# Altium PCB RFFE_Controller.PcbDoc (part 2 of 2)
Units mm, origin at the board's own origin, x right, y up, seen from the top; angles counter-clockwise.
Board outline 87 x 105 mm, 4 copper layers (Top Layer, MidLayer1, MidLayer2, Bottom Layer), stack 1.642 mm thick; 103 components, 94 nets, 420 pads, 1683 vias.
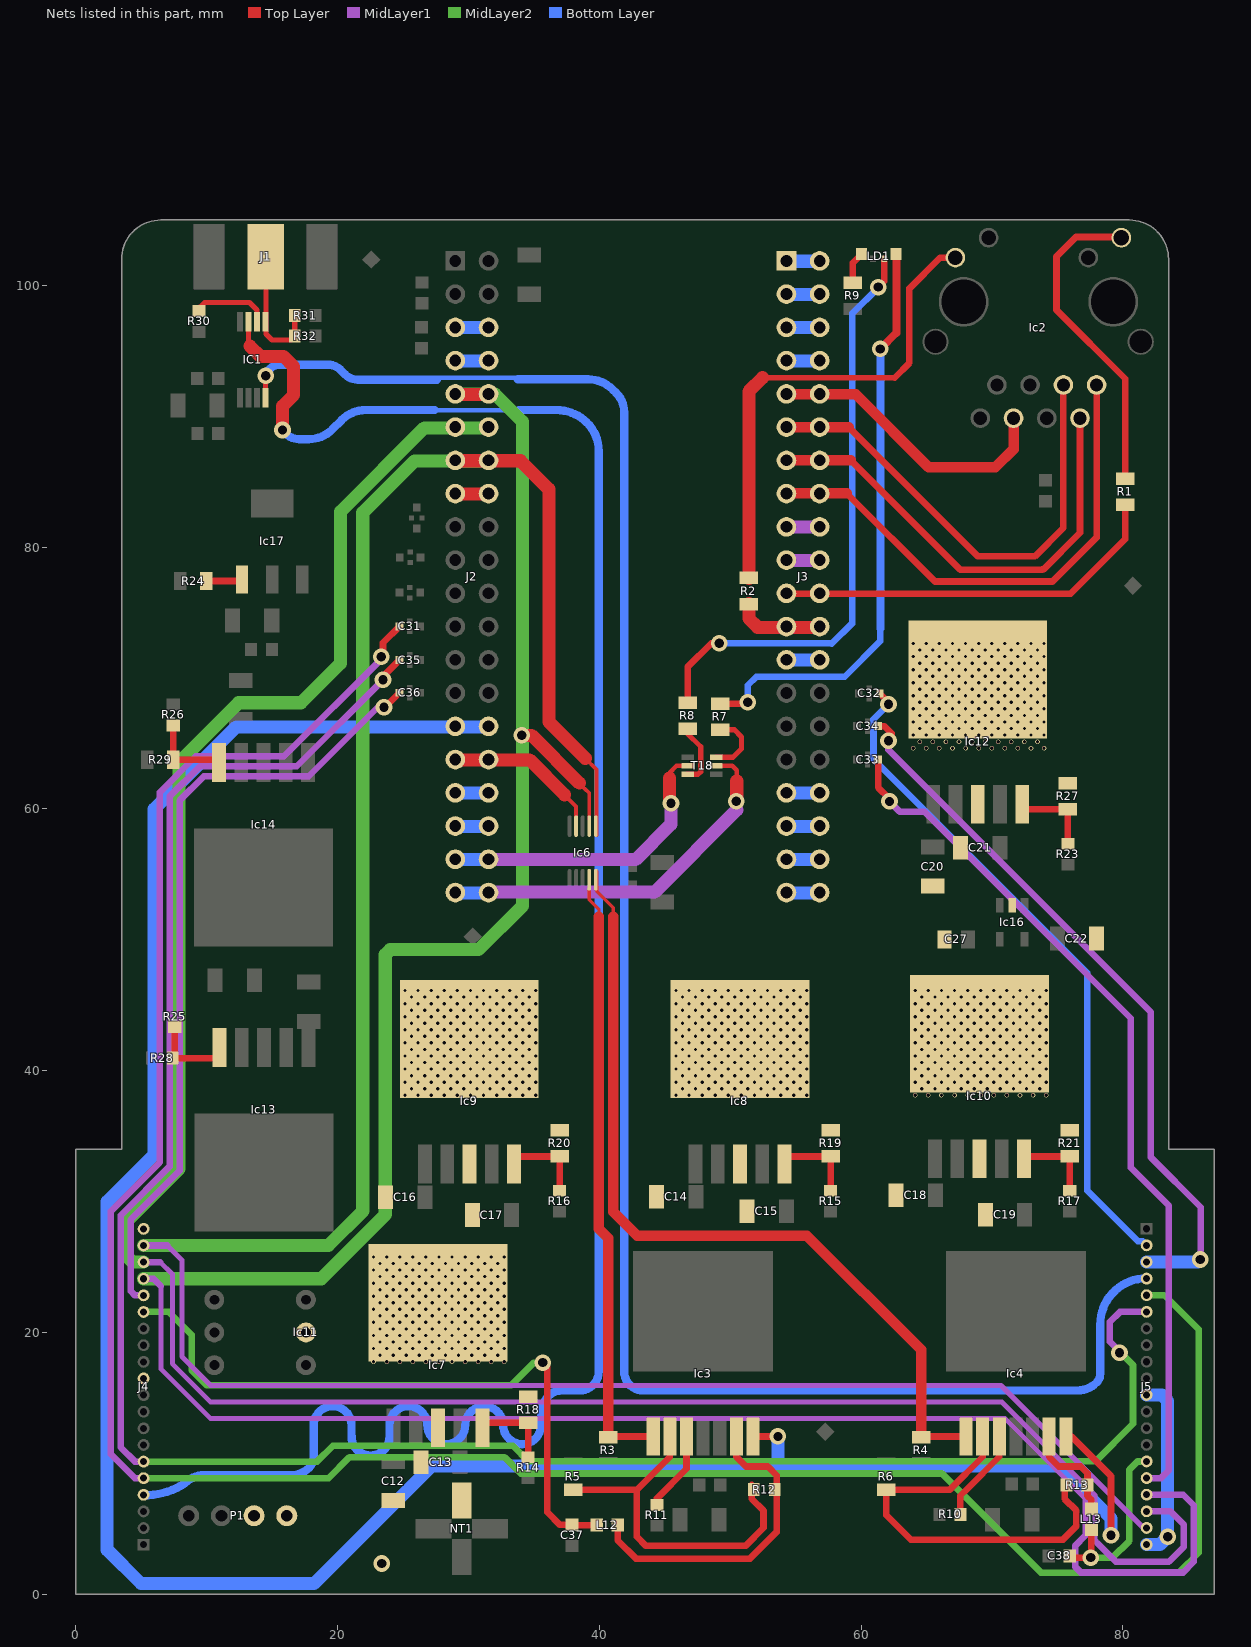
[diagram p4: the nets of this part, all layers, seen from the top]

## Via types
v1: diameter 0.35, hole 0.254, Top Layer to Bottom Layer, 1611 vias
v2: diameter 1.27, hole 0.711, Top Layer to Bottom Layer, 68 vias
v3: diameter 5, hole 2.2, Top Layer to Bottom Layer, 3 vias
v4: diameter 4, hole 2.2, Top Layer to Bottom Layer, 1 vias

## Nets (pads, with @x,y where several pads share a name; then routed paths per layer and width w, separated by ;. In a path a pad name is that pad's centre, name@x,y a point inside that pad or via, vN(x,y) a via of type N, cw(c..) or ccw(c..) an arc to the next point about the centre after c; other vN are vias at no path point) (continued)
NetC31_3: C31.3 J4.5 J5.5 | length 187.2
  Top Layer w0.508: v2(23.35,71.625) 23.475,71.75 23.475,72.7 C31.3@24.725,73.95
  MidLayer1 w0.508: J4.5@5.18,8.866 4.525,8.866 2.676,10.715 2.676,29.256 6.413,32.994 6.413,61.265 9.17,64.022 15.922,64.022 v2@23.437,71.537
  MidLayer2 w0.508: J4.5@5.18,8.866 19.313,8.866 20.922,10.475 32.75,10.475 34,9.225 66.175,9.225 73.75,1.65 84.275,1.65 85.8,3.175 85.8,20.225 83.179,22.846 J5.5@81.82,22.846
NetC32_3: C32.3 J5.2 | length 52.5
  Top Layer w0.504: C32.3@61.425,68.825 62.325,67.925 62.325,67.725 62.096,67.954 v2(62.096,67.993)
  Bottom Layer w0.504: v2(62.096,67.993) 60.955,66.852 60.955,63.795 77.287,47.463 77.287,30.838 81.158,26.967 81.509,26.967 J5.2@81.82,26.656
NetC33_3: C33.3 J5.16 | length 66.6
  Top Layer w0.504: C33.3@61.3,63.775 61.3,61.65 62.175,60.775 v2(62.175,60.575)
  MidLayer1 w0.5: 64.827,59.802 80.614,44.014 80.614,32.601 83.525,29.69 83.525,9.475 82.926,8.876 J5.16@81.82,8.876
  MidLayer1 w0.504: v2(62.175,60.575) 62.948,59.802 64.827,59.802
NetC34_3: C34.3 J5.3 | length 55.6
  Top Layer w0.508: C34.3@61.3,66.325 61.775,66.325 62.325,65.775 62.325,65.439 v2(62.096,65.21)
  MidLayer1 w0.5: 62.689,63.936 82.15,44.475 82.15,33.375 85.95,29.575 v2@85.95,25.55
  MidLayer1 w0.508: v2(62.096,65.21) 62.096,64.529 62.689,63.936
  Bottom Layer w0.381: v2@85.736,25.386 v2(85.925,25.575)
  Bottom Layer w1: J5.3@81.82,25.386 v2@85.736,25.386
NetC35_3: C35.3 J4.6 J5.6 | length 165.1
  Top Layer w0.508: v2(23.475,69.875) 23.475,70.125 C35.3@24.725,71.375
  MidLayer1 w0.508: J4.6@5.18,10.136 4.525,10.136 3.438,11.223 3.438,28.941 7.175,32.678 7.175,60.949 9.486,63.26 16.885,63.26 v2@23.487,69.862 ; v2(79.75,18.45) 79.75,18.55 79,19.3 79,20.8 79.776,21.576 J5.6@81.82,21.576
  MidLayer2 w0.508: J4.6@5.18,10.136 18.436,10.136 19.65,11.35 33.4,11.35 34.598,10.152 77.909,10.152 80.784,13.027 80.784,17.516 79.75,18.55 v2(79.75,18.45)
NetC36_3: C36.3 J4.16 | length 60.3
  Top Layer w0.508: v2(23.55,67.775) 23.625,67.775 C36.3@24.725,68.875
  MidLayer1 w0.508: J4.16@5.18,22.836 4.525,22.836 4.2,23.161 4.2,28.625 7.937,32.362 7.937,60.634 9.802,62.498 17.798,62.498 23.075,67.775 v2(23.55,67.775)
NetC37_2: C37.2 J4.15 L12.2 | length 50.8
  Top Layer w0.508: v2@35.7,17.675 36.025,17.35 36.025,6.275 37,5.3 C37.2@37.925,5.3 37.95,5.275 L12.2@39.8,5.275
  MidLayer2 w0.508: J4.15@5.18,21.566 5.189,21.575 7.1,21.575 8.85,19.825 8.85,17.125 10.013,15.962 33.262,15.962 35,17.7 v2(35.675,17.7)
NetC38_2: C38.2 J5.15 L13.2 | length 14.8
  Top Layer w0.508: C38.2@75.95,2.925 76.075,2.8 v2@77.275,2.8 ; v2@77.456,2.981 v2@77.275,2.8 ; L13.2@77.6,4.925 77.6,2.846 v2(77.554,2.8) v2@77.275,2.8
  MidLayer2 w0.508: v2@77.275,2.8 v2(77.554,2.8) 79.225,2.8 80.5,4.075 80.5,9.525 81.121,10.146 J5.15@81.82,10.146
NetIC1_1: IC1.1 J1.1 R31.2 R32.1 | length 10
  Top Layer w0.4: J1.1@14.5,102.175 14.529,102.146 14.529,96.296 15,95.825 16.425,95.825 R32.1@16.725,96.125 R31.2@16.725,97.7
NetIC1_2: IC1.2 R30.1 | length 5.7
  Top Layer w0.4: R30.1@9.475,98.325 9.85,98.7 13.266,98.7 13.85,98.116 IC1.2@13.85,97.225
NetIC1_3: IC1.3 J4.4 | length 160
  Top Layer w0.4: IC1.3@13.2,96.625 13.2,95.475 13.3,95.375
  Top Layer w1: 13.3,95.375 14.1,94.575 15.875,94.575 16.65,93.8 16.65,91.625 15.8,90.775 v2(15.8,88.95)
  Bottom Layer w0.35: 27.425,90.45 33.85,90.45
  Bottom Layer w0.635: J4.4@5.173,7.57 ccw(c5.3,13.1) 8.335,8.476 cw(c9.841,6.969) 9.841,9.1 16.462,9.1 ccw(c16.462,11.063) 17.85,9.675 ccw(c17.062,10.463) 18.176,10.463 18.176,12.917 cw(c19.624,12.917) 19.624,14.365 cw(c19.624,12.917) 21.072,12.917 21.072,12.048 ; v2@16.05,88.675 ccw(c17.076,89.701) 17.076,88.25 17.798,88.25 ccw(c17.798,90.79) 19.594,88.994 20.331,89.731 cw(c22.127,87.935) 22.127,90.475 27.425,90.475 ; 21.077,12.048 ccw(c22.525,12.048) 22.525,10.6 ccw(c22.525,12.048) 23.973,12.048 ; 23.968,12.048 23.968,12.917 cw(c25.415,12.917) 25.415,14.365 cw(c25.415,12.917) 26.863,12.917 ccw(c28.311,12.917) 28.311,11.47 ccw(c28.311,12.917) 29.759,12.917 cw(c31.207,12.917) 31.207,14.365 cw(c31.207,12.917) 32.654,12.917 ccw(c34.102,12.917) 34.102,11.47 ccw(c34.102,12.917) 35.55,12.917 35.55,13.745 cw(c37.555,13.745) 36.137,15.162 cw(c37.122,14.177) 37.122,15.57 38.507,15.57 ccw(c38.507,17.018) 39.955,17.018 39.955,87.358 ccw(c36.908,87.358) 39.063,89.512 ccw(c36.739,87.189) 36.739,90.475 33.85,90.475
NetIC1_8: IC1.8 J5.4 | length 152.2
  Top Layer w0.4: IC1.8@14.5,91.425 14.5,93.077 v2(14.517,93.095)
  Bottom Layer w0.35: 27.6,92.95 34.493,92.95
  Bottom Layer w0.635: v2(14.517,93.095) cw(c15.792,92.708) 14.85,93.65 cw(c15.574,92.926) 15.574,93.95 19.251,93.95 cw(c19.251,92.564) 20.231,93.544 20.575,93.2 ccw(c21.541,94.166) 21.541,92.8 26.115,92.8 ; 26.175,92.8 27.6,92.8 ; 33.775,92.825 39.15,92.825 cw(c39.15,90.17) 41.028,92.047 41.304,91.771 cw(c39.853,90.32) 41.905,90.32 41.905,17.018 ccw(c43.353,17.018) 43.353,15.57 76.54,15.57 ccw(c76.54,17.635) 78,16.175 ccw(c77.336,16.839) 78.275,16.839 78.275,20.615 cw(c81.798,20.615) J5.4@81.798,24.138
NetIc2_1: Ic2.1 J3.15 J3.16 | length 39.6
  Top Layer w0.508: 58.9,84.125 65.65,77.375 74.632,77.375 78,80.743 Ic2.1@78,92.395
  Top Layer w0.8: J3.15@54.27,84.125 58.9,84.125
NetIc2_2: Ic2.2 J3.13 J3.14 | length 35.8
  Top Layer w0.508: 59.225,86.625 67.567,78.283 73.838,78.283 73.863,78.308 73.939,78.308 76.73,81.099 Ic2.2@76.73,89.855
  Top Layer w0.8: J3.13@54.27,86.625 59.225,86.625
NetIc2_3: Ic2.3 J3.11 J3.12 | length 37.1
  Top Layer w0.508: 59.05,89.175 68.926,79.299 73.279,79.299 75.46,81.48 Ic2.3@75.46,92.395
  Top Layer w0.8: J3.11@54.27,89.175 59.05,89.175
NetIc2_6: Ic2.6 J3.9 J3.10 | length 22.6
  Top Layer w0.8: J3.9@54.27,91.69 59.585,91.69 65.155,86.12 70.27,86.12 71.65,87.5 Ic2.6@71.65,89.855
NetIc2_9: Ic2.9 R1.1 | length 24.8
  Top Layer w0.508: Ic2.9@79.884,103.7 76.425,103.7 74.93,102.205 74.93,98.12 80.183,92.867 R1.1@80.183,85.191
NetIc2_12: Ic2.12 R2.1 | length 37.7
  Top Layer w0.4: 52.469,92.944 62.569,92.944
  Top Layer w0.5: 62.569,92.944 63.7,94.075 63.7,99.775 66.051,102.126 Ic2.12@67.205,102.126
  Top Layer w1: R2.1@51.425,77.6 51.425,91.9 52.469,92.944
NetIc3_1: Ic3.1 Ic6.4 R3.2 | length 45.9
  Top Layer w0.254: Ic6.4@39.232,53.925 39.232,53.068 39.975,52.325 39.975,51.775
  Top Layer w0.508: R3.2@40.698,12.057 Ic3.1@44.122,12.057
  Top Layer w0.8: 39.975,51.775 39.975,27.925 40.698,27.202 R3.2@40.698,12.057
NetIc3_2: Ic3.2 R5.1 R12.1 | length 27.7
  Top Layer w0.508: R5.1@38.018,7.977 39.952,7.977 42.86,7.977 ; Ic3.2@45.392,12.057 45.392,10.509 42.86,7.977 ; R12.1@51.653,8.342 51.653,7.286 52.552,6.387 52.552,5.077 51.169,3.694 43.575,3.694 42.86,4.409 42.86,7.977
NetIc3_3: Ic3.3 R11.2 | length 6.2
  Top Layer w0.508: R11.2@44.4,6.825 44.4,7.325 46.662,9.587 Ic3.3@46.662,12.057
NetIc3_6: Ic3.6 L12.1 R12.2 | length 24.3
  Top Layer w0.508: L12.1@41.4,5.275 41.4,4.125 42.8,2.725 51.525,2.725 53.553,4.753 53.553,9.094 52.883,9.765 51.206,9.765 50.472,10.499 Ic3.6@50.472,12.057
NetIc3_7: Ic3.7 Ic4.7 J2.29 J2.30 | length 184
  Top Layer w0.508: Ic3.7@51.742,12.057 v2(53.648,12.057) ; Ic4.7@75.645,12.057 76.068,12.057 79.1,9.025 v2(79.1,4.5)
  Bottom Layer w1: J2.30@31.52,66.275 12.275,66.275 6,60 6,33.6 2.4,30 2.4,3.4 4.982,0.818 18.217,0.818 27.2,9.8 75.1,9.8 79.1,5.8 v2(79.1,4.5) ; 53.648,9.848 v2(53.648,12.057)
NetIc4_1: Ic4.1 Ic6.5 R4.2 | length 64.5
  Top Layer w0.254: Ic6.5@39.8,55.263 39.8,53.725 41.075,52.45 41.075,51.75
  Top Layer w0.508: R4.2@64.588,12.057 Ic4.1@68.025,12.057
  Top Layer w0.8: 41.075,51.75 41.075,29.232 42.901,27.407 55.855,27.407 64.588,18.673 R4.2@64.588,12.057
NetIc4_2: Ic4.2 R6.1 R13.1 | length 31.1
  Top Layer w0.508: Ic4.2@69.295,12.057 69.295,10.509 66.763,7.977 R6.1@61.921,7.977 61.921,6.056 63.802,4.175 75.428,4.175 76.455,5.202 76.455,6.387 75.556,7.286 R13.1@75.556,8.342
NetIc4_3: Ic4.3 R10.2 | length 7.2
  Top Layer w0.508: R10.2@67.575,6.075 67.575,7.52 68.083,8.027 70.565,10.509 Ic4.3@70.565,12.057
NetIc4_6: Ic4.6 L13.1 R13.2 | length 7.9
  Top Layer w0.508: Ic4.6@74.375,12.057 74.375,10.499 75.109,9.765 76.785,9.765 77.306,9.244 R13.2@77.306,8.342 77.306,7.519 77.6,7.225 L13.1@77.6,6.525
NetIc6_6: Ic6.6 J2.13 J2.14 J4.19 J5.19 | length 208.3
  Top Layer w0.3: 38.925,63.875 39.8,63 Ic6.6@39.8,58.013
  Top Layer w1: J2.13@28.98,86.606 33.969,86.606 36.15,84.425 36.15,66.65 38.925,63.875
  MidLayer1 w0.381: 6.994,26.646 8.1,25.54 8.1,18.164 10.312,15.951 70.699,15.951 J5.19@81.584,5.066
  MidLayer1 w0.5: J4.19@5.18,26.646 6.994,26.646 ; J5.19@81.584,5.066 J5.19@81.82,5.066
  MidLayer2 w1: J4.19@5.18,26.646 19.296,26.646 21.925,29.275 21.925,82.639 25.886,86.6 J2.14@31.52,86.6
NetIc6_7: Ic6.7 J2.9 J2.10 J4.17 J5.17 | length 213
  Top Layer w0.3: 38.45,61.95 39.232,61.218 Ic6.7@39.232,59.225
  Top Layer w1: J2.9@28.98,91.675 J2.10@31.52,91.675 ; v2(34.075,65.625) 34.825,65.625 38.475,61.975
  MidLayer1 w0.381: 6.502,23.546 6.502,17.221 10.312,13.411 71.014,13.411 77.175,7.25
  MidLayer1 w0.5: J4.17@5.18,24.106 5.942,24.106 6.502,23.546 ; 77.175,7.25 77.175,4.517 76.35,3.692 76.35,2.114 76.803,1.661 84.611,1.661 85.425,2.475 85.425,6.8 84.619,7.606 J5.17@81.82,7.606
  MidLayer2 w0.381: 34.1,52.575 34.125,52.575
  MidLayer2 w1: J4.17@5.18,24.106 18.756,24.106 23.65,29 23.65,48.875 24.025,49.25 30.775,49.25 34.1,52.575 ; J2.9@28.98,91.69 32.035,91.69 34.125,89.6 34.125,52.575
NetIc6_9: Ic6.9 J2.31 J2.32 | length 12.2
  Top Layer w0.3: 37.343,61.082 38.232,60.193 Ic6.9@38.232,58.688
  Top Layer w1: J2.31@28.98,63.75 34.675,63.75 37.343,61.082
NetIc7_5: Ic7.5 R14.1 R18.2 | length 6
  Top Layer w0.508: Ic7.5@31.07,13.096 R18.2@34.569,13.096 R14.1@34.569,10.617
NetIc8_5: Ic8.5 R15.1 R19.2 | length 6
  Top Layer w0.508: Ic8.5@54.176,33.451 R19.2@57.675,33.451 R15.1@57.675,30.972
NetIc9_5: Ic9.5 R16.1 R20.2 | length 6
  Top Layer w0.508: Ic9.5@33.475,33.451 R20.2@36.974,33.451 R16.1@36.974,30.972
NetIc10_5: Ic10.5 R17.1 R21.2 | length 6.1
  Top Layer w0.508: Ic10.5@72.464,33.451 R21.2@75.947,33.451 75.947,31.21 R17.1@75.709,30.972
NetIc12_5: Ic12.5 R23.1 R27.2 | length 6
  Top Layer w0.508: Ic12.5@72.305,59.97 R27.2@75.804,59.97 R23.1@75.804,57.491
NetIc13_5: Ic13.5 R25.1 R28.1 | length 5.6
  Top Layer w0.508: R25.1@7.566,43.182 7.566,40.957 Ic13.5@10.988,40.957
NetIc14_5: Ic14.5 R26.1 R29.2 | length 6
  Top Layer w0.508: R26.1@7.452,66.236 R29.2@7.452,63.757 Ic14.5@10.951,63.757
NetIc17_1: Ic17.1 R24.2 | length 2.8
  Top Layer w0.508: R24.2@9.92,77.413 Ic17.1@12.7,77.413
NetJ2_5: J2.5 J2.6 | length 2.5
  Bottom Layer w1: J2.5@28.98,96.77 J2.6@31.52,96.77
NetJ2_7: J2.7 J2.8 | length 2.5
  Bottom Layer w1: J2.7@28.98,94.23 J2.8@31.52,94.23
NetJ2_11: J2.11 J2.12 J4.18 J5.18 | length 182.3
  MidLayer1 w0.381: 6.468,25.376 7.375,24.469 7.375,17.619 10.312,14.681 70.769,14.681 77.875,7.575 77.875,4.075
  MidLayer1 w0.5: J4.18@5.18,25.376 6.468,25.376 ; 77.875,4.075 78.011,3.939 78.026,3.939 78.693,3.272 78.693,3.257 79.475,2.475 83.525,2.475 84.671,3.621 84.671,5.304 83.639,6.336 J5.18@81.82,6.336
  MidLayer2 w1: J4.18@5.18,25.376 4.358,25.376 3.9,25.834 3.9,28.5 7.894,32.494 7.894,63.565 12.441,68.112 17.212,68.112 20.225,71.125 20.225,82.713 26.632,89.12 J2.12@31.52,89.12
NetJ2_15: J2.15 J2.16 | length 2.5
  Top Layer w1: J2.15@28.98,84.07 J2.16@31.52,84.07
NetJ2_33: J2.33 J2.34 | length 2.5
  Bottom Layer w1: J2.33@28.98,61.21 J2.34@31.52,61.21
NetJ2_35: J2.35 J2.36 | length 2.5
  Bottom Layer w1: J2.35@28.98,58.67 J2.36@31.52,58.67
NetJ2_37: J2.37 J2.38 T18.2 | length 23.3
  Top Layer w0.35: 45.375,62.35 45.375,62.775 45.9,63.3 T18.2@46.75,63.3
  Top Layer w1: 45.375,62.35 45.375,60.525 v2(45.475,60.425)
  MidLayer1 w1: J2.38@31.52,56.13 42.78,56.13 45.475,58.825 v2(45.475,60.425)
  Bottom Layer w0.3: J2.38@31.52,56.13 J2.38@31.565,56.175
  Bottom Layer w1: J2.37@28.98,56.13 J2.38@31.52,56.13
NetJ2_39: J2.39 J2.40 T18.5 | length 28.2
  Top Layer w0.35: T18.5@48.95,63.3 50.15,63.3 50.5,62.95 50.5,62.15
  Top Layer w1: v2(50.475,60.6) 50.5,60.625 50.5,62.15
  MidLayer1 w1: J2.40@31.52,53.65 44.225,53.65 50.5,59.925
  Bottom Layer w1: J2.39@28.98,53.59 J2.40@31.52,53.59
NetJ3_1: J3.1 J3.2 | length 2.5
  Bottom Layer w1: J3.1@54.27,101.85 J3.2@56.81,101.85
NetJ3_3: J3.3 J3.4 | length 2.5
  Bottom Layer w1: J3.3@54.27,99.31 J3.4@56.81,99.31
NetJ3_5: J3.5 J3.6 | length 2.5
  Bottom Layer w1: J3.5@54.27,96.77 J3.6@56.81,96.77
NetJ3_7: J3.7 J3.8 | length 2.5
  Bottom Layer w1: J3.7@54.27,94.23 J3.8@56.81,94.23
NetJ3_17: J3.17 J3.18 | length 2.5
  MidLayer1 w1: J3.17@54.27,81.53 J3.18@56.81,81.53
NetJ3_19: J3.19 J3.20 | length 2.5
  MidLayer1 w1: J3.19@54.27,78.99 J3.20@56.81,78.99
NetJ3_21: J3.21 J3.22 R1.2 | length 30.3
  Top Layer w0.508: J3.21@54.27,76.45 76.018,76.45 80.183,80.614 R1.2@80.183,83.291
NetJ3_23: J3.23 J3.24 R2.2 | length 6.8
  Top Layer w1: R2.2@51.425,75.7 51.425,74.55 52.1,73.875 J3.24@56.81,73.875
NetJ3_25: J3.25 J3.26 | length 2.5
  Bottom Layer w1: J3.25@54.27,71.37 J3.26@56.81,71.37
NetJ3_33: J3.33 J3.34 | length 2.5
  Bottom Layer w1: J3.33@54.27,61.21 J3.34@56.81,61.21
NetJ3_35: J3.35 J3.36 | length 2.5
  Bottom Layer w1: J3.35@54.27,58.67 J3.36@56.81,58.67
NetJ3_37: J3.37 J3.38 | length 2.5
  Bottom Layer w1: J3.37@54.27,56.13 J3.38@56.81,56.13
NetJ3_39: J3.39 J3.40 | length 2.5
  Bottom Layer w1: J3.39@54.27,53.59 J3.40@56.81,53.59
NetLD1_1: LD1.1 R9.2 | length 2.5
  Top Layer w0.5: R9.2@59.375,100.15 59.375,101.725 LD1.1@60.05,102.4
NetLD1_3: LD1.3 R8.2 | length 45.5
  Top Layer w0.5: R8.2@46.75,68.125 46.75,70.85 48.55,72.65 v2(49.175,72.65)
  Top Layer w0.508: v2(61.325,99.875) 61.767,100.317 LD1.3@61.767,102.05
  Bottom Layer w0.508: v2@49.175,72.653 57.753,72.653 ; 57.753,72.628 59.3,74.175 ; 59.325,74.175 59.325,97.85 61.325,99.85 v2(61.325,99.875)
NetLD1_4: LD1.4 R7.2 | length 45
  Top Layer w0.5: R7.2@49.25,68.05 51.25,68.05 v2(51.35,68.15)
  Top Layer w0.6: v2(61.475,95.15) 62.7,96.375 LD1.4@62.7,102.4
  Bottom Layer w0.5: v2(51.35,68.15) 51.35,69.45 52.009,70.109 58.75,70.109 61.475,72.834 61.475,73.8
  Bottom Layer w0.6: 61.475,73.8 v2(61.475,95.15)
NetR7_1: R7.1 T18.6 | length 4.9
  Top Layer w0.4: T18.6@48.95,63.95 50.225,63.95 50.875,64.6 50.875,65.5 50.325,66.05 R7.1@49.25,66.05
NetR8_1: R8.1 T18.3 | length 4.8
  Top Layer w0.4: T18.3@46.75,62.65 47.55,62.65 47.75,62.85 47.75,64.75 46.75,65.75 R8.1@46.75,66.125
RFGND: C12.1 C13.1 C14.1 C15.1 C16.1 C17.1 C18.1 C19.1 C20.1 C21.1 C22.1 C27.1 Ic7.3 Ic7.6 Ic8.3 Ic8.6 Ic9.3 Ic9.6 Ic10.3 Ic10.6 Ic11.2 Ic12.3 Ic12.6 Ic16.2 J4.11 J4.20 J5.11 J5.20 NT1.4 P1.1 P1.2 R18.1 R19.1 R20.1 R21.1 R27.1 | length 14
  Bottom Layer w1: J5.20@81.82,3.796 82.821,3.796 v2(83.425,4.4) 83.425,14.775 82.974,15.226 J5.11@81.82,15.226
  other v1: 22.75,17.771 23.75,17.771 24.75,17.771 25.75,17.771 26.75,17.771 27.75,17.771 28.75,17.771 29.75,17.771 30.75,17.771 31.75,17.771 32.75,17.771 23.25,18.271 24.25,18.271 25.25,18.271 26.25,18.271 27.25,18.271 28.25,18.271 29.25,18.271 30.25,18.271 31.25,18.271 32.25,18.271 22.75,18.771 23.75,18.771 24.75,18.771 25.75,18.771 26.75,18.771 27.75,18.771 28.75,18.771 29.75,18.771 30.75,18.771 31.75,18.771 32.75,18.771 23.25,19.271 24.25,19.271 25.25,19.271 26.25,19.271 27.25,19.271 28.25,19.271 29.25,19.271 30.25,19.271 31.25,19.271 32.25,19.271 22.75,19.771 23.75,19.771 24.75,19.771 25.75,19.771 26.75,19.771 27.75,19.771 28.75,19.771 29.75,19.771 30.75,19.771 31.75,19.771 32.75,19.771 23.25,20.271 24.25,20.271 25.25,20.271 26.25,20.271 27.25,20.271 28.25,20.271 29.25,20.271 30.25,20.271 31.25,20.271 32.25,20.271 22.75,20.771 23.75,20.771 24.75,20.771 25.75,20.771 26.75,20.771 27.75,20.771 28.75,20.771 29.75,20.771 30.75,20.771 31.75,20.771 32.75,20.771 23.25,21.271 24.25,21.271 25.25,21.271 26.25,21.271 27.25,21.271 28.25,21.271 29.25,21.271 30.25,21.271 31.25,21.271 32.25,21.271 22.75,21.771 23.75,21.771 24.75,21.771 25.75,21.771 26.75,21.771 27.75,21.771 28.75,21.771 29.75,21.771 30.75,21.771 31.75,21.771 32.75,21.771 23.25,22.271 24.25,22.271 25.25,22.271 26.25,22.271 27.25,22.271 28.25,22.271 29.25,22.271 30.25,22.271 31.25,22.271 32.25,22.271 22.75,22.771 23.75,22.771 24.75,22.771 25.75,22.771 26.75,22.771 27.75,22.771 28.75,22.771 29.75,22.771 30.75,22.771 31.75,22.771 32.75,22.771 23.25,23.271 24.25,23.271 25.25,23.271 26.25,23.271 27.25,23.271 28.25,23.271 29.25,23.271 30.25,23.271 31.25,23.271 32.25,23.271 22.75,23.771 23.75,23.771 24.75,23.771 25.75,23.771 26.75,23.771 27.75,23.771 28.75,23.771 29.75,23.771 30.75,23.771 31.75,23.771 32.75,23.771 23.25,24.271 24.25,24.271 25.25,24.271 26.25,24.271 27.25,24.271 28.25,24.271 29.25,24.271 30.25,24.271 31.25,24.271 32.25,24.271 22.75,24.771 23.75,24.771 24.75,24.771 25.75,24.771 26.75,24.771 27.75,24.771 28.75,24.771 29.75,24.771 30.75,24.771 31.75,24.771 32.75,24.771 23.25,25.271 24.25,25.271 25.25,25.271 26.25,25.271 27.25,25.271 28.25,25.271 29.25,25.271 30.25,25.271 31.25,25.271 32.25,25.271 22.75,25.771 23.75,25.771 24.75,25.771 25.75,25.771 26.75,25.771 27.75,25.771 28.75,25.771 29.75,25.771 30.75,25.771 31.75,25.771 32.75,25.771 25.155,38.126 26.155,38.126 27.155,38.126 28.155,38.126 29.155,38.126 30.155,38.126 31.155,38.126 32.155,38.126 33.155,38.126 34.155,38.126 35.155,38.126 45.856,38.126 46.856,38.126 47.856,38.126 48.856,38.126 49.856,38.126 50.856,38.126 51.856,38.126 52.856,38.126 53.856,38.126 54.856,38.126 55.856,38.126 64.144,38.126 65.144,38.126 66.144,38.126 67.144,38.126 68.144,38.126 69.144,38.126 70.144,38.126 71.144,38.126 72.144,38.126 73.144,38.126 74.144,38.126 25.655,38.626 26.655,38.626 27.655,38.626 28.655,38.626 29.655,38.626 30.655,38.626 31.655,38.626 32.655,38.626 33.655,38.626 34.655,38.626 46.356,38.626 47.356,38.626 48.356,38.626 49.356,38.626 50.356,38.626 51.356,38.626 52.356,38.626 53.356,38.626 54.356,38.626 55.356,38.626 64.644,38.626 65.644,38.626 66.644,38.626 67.644,38.626 68.644,38.626 69.644,38.626 70.644,38.626 71.644,38.626 72.644,38.626 73.644,38.626 25.155,39.126 26.155,39.126 27.155,39.126 28.155,39.126 29.155,39.126 30.155,39.126 31.155,39.126 32.155,39.126 33.155,39.126 34.155,39.126 35.155,39.126 45.856,39.126 46.856,39.126 47.856,39.126 48.856,39.126 49.856,39.126 50.856,39.126 51.856,39.126 52.856,39.126 53.856,39.126 54.856,39.126 55.856,39.126 64.144,39.126 65.144,39.126 66.144,39.126 67.144,39.126 68.144,39.126 69.144,39.126 70.144,39.126 71.144,39.126 72.144,39.126 73.144,39.126 74.144,39.126 25.655,39.626 26.655,39.626 27.655,39.626 28.655,39.626 29.655,39.626 30.655,39.626 31.655,39.626 32.655,39.626 33.655,39.626 34.655,39.626 46.356,39.626 47.356,39.626 48.356,39.626 49.356,39.626 50.356,39.626 51.356,39.626 52.356,39.626 53.356,39.626 54.356,39.626 55.356,39.626 64.644,39.626 65.644,39.626 66.644,39.626 67.644,39.626 68.644,39.626 69.644,39.626 70.644,39.626 71.644,39.626 72.644,39.626 73.644,39.626 25.155,40.126 26.155,40.126 27.155,40.126 28.155,40.126 29.155,40.126 30.155,40.126 31.155,40.126 32.155,40.126 33.155,40.126 34.155,40.126 35.155,40.126 45.856,40.126 46.856,40.126 47.856,40.126 48.856,40.126 49.856,40.126 50.856,40.126 51.856,40.126 52.856,40.126 53.856,40.126 54.856,40.126 55.856,40.126 64.144,40.126 65.144,40.126 66.144,40.126 67.144,40.126 68.144,40.126 69.144,40.126 70.144,40.126 71.144,40.126 72.144,40.126 73.144,40.126 74.144,40.126 25.655,40.626 26.655,40.626 27.655,40.626 28.655,40.626 29.655,40.626 30.655,40.626 31.655,40.626 32.655,40.626 33.655,40.626 34.655,40.626 46.356,40.626 47.356,40.626 48.356,40.626 49.356,40.626 50.356,40.626 51.356,40.626 52.356,40.626 53.356,40.626 54.356,40.626 55.356,40.626 64.644,40.626 65.644,40.626 66.644,40.626 67.644,40.626 68.644,40.626 69.644,40.626 70.644,40.626 71.644,40.626 72.644,40.626 73.644,40.626 25.155,41.126 26.155,41.126 27.155,41.126 28.155,41.126 29.155,41.126 30.155,41.126 31.155,41.126 32.155,41.126 33.155,41.126 34.155,41.126 35.155,41.126 45.856,41.126 46.856,41.126 47.856,41.126 48.856,41.126 49.856,41.126 50.856,41.126 51.856,41.126 52.856,41.126 53.856,41.126 54.856,41.126 55.856,41.126 64.144,41.126 65.144,41.126 66.144,41.126 67.144,41.126 68.144,41.126 69.144,41.126 70.144,41.126 71.144,41.126 72.144,41.126 73.144,41.126 74.144,41.126 25.655,41.626 26.655,41.626 27.655,41.626 28.655,41.626 29.655,41.626 30.655,41.626 31.655,41.626 32.655,41.626 33.655,41.626 34.655,41.626 46.356,41.626 47.356,41.626 48.356,41.626 49.356,41.626 50.356,41.626 51.356,41.626 52.356,41.626 53.356,41.626 54.356,41.626 55.356,41.626 64.644,41.626 65.644,41.626 66.644,41.626 67.644,41.626 68.644,41.626 69.644,41.626 70.644,41.626 71.644,41.626 72.644,41.626 73.644,41.626 25.155,42.126 26.155,42.126 27.155,42.126 28.155,42.126 29.155,42.126 30.155,42.126 31.155,42.126 32.155,42.126 33.155,42.126 34.155,42.126 35.155,42.126 45.856,42.126 46.856,42.126 47.856,42.126 48.856,42.126 49.856,42.126 50.856,42.126 51.856,42.126 52.856,42.126 53.856,42.126 54.856,42.126 55.856,42.126 64.144,42.126 65.144,42.126 66.144,42.126 67.144,42.126 68.144,42.126 69.144,42.126 70.144,42.126 71.144,42.126 72.144,42.126 73.144,42.126 74.144,42.126 25.655,42.626 26.655,42.626 27.655,42.626 28.655,42.626 29.655,42.626 30.655,42.626 31.655,42.626 32.655,42.626 33.655,42.626 34.655,42.626 46.356,42.626 47.356,42.626 48.356,42.626 49.356,42.626 50.356,42.626 51.356,42.626 52.356,42.626 53.356,42.626 54.356,42.626 55.356,42.626 64.644,42.626 65.644,42.626 66.644,42.626 67.644,42.626 68.644,42.626 69.644,42.626 70.644,42.626 71.644,42.626 72.644,42.626 73.644,42.626 25.155,43.126 26.155,43.126 27.155,43.126 28.155,43.126 29.155,43.126 30.155,43.126 31.155,43.126 32.155,43.126 33.155,43.126 34.155,43.126 35.155,43.126 45.856,43.126 46.856,43.126 47.856,43.126 48.856,43.126 49.856,43.126 50.856,43.126 51.856,43.126 52.856,43.126 53.856,43.126 54.856,43.126 55.856,43.126 64.144,43.126 65.144,43.126 66.144,43.126 67.144,43.126 68.144,43.126 69.144,43.126 70.144,43.126 71.144,43.126 72.144,43.126 73.144,43.126 74.144,43.126 25.655,43.626 26.655,43.626 27.655,43.626 28.655,43.626 29.655,43.626 30.655,43.626 31.655,43.626 32.655,43.626 33.655,43.626 34.655,43.626 46.356,43.626 47.356,43.626 48.356,43.626 49.356,43.626 50.356,43.626 51.356,43.626 52.356,43.626 53.356,43.626 54.356,43.626 55.356,43.626 64.644,43.626 65.644,43.626 66.644,43.626 67.644,43.626 68.644,43.626 69.644,43.626 70.644,43.626 71.644,43.626 72.644,43.626 73.644,43.626 25.155,44.126 26.155,44.126 27.155,44.126 28.155,44.126 29.155,44.126 30.155,44.126 31.155,44.126 32.155,44.126 33.155,44.126 34.155,44.126 35.155,44.126 45.856,44.126 46.856,44.126 47.856,44.126 48.856,44.126 49.856,44.126 50.856,44.126 51.856,44.126 52.856,44.126 53.856,44.126 54.856,44.126 55.856,44.126 64.144,44.126 65.144,44.126 66.144,44.126 67.144,44.126 68.144,44.126 69.144,44.126 70.144,44.126 71.144,44.126 72.144,44.126 73.144,44.126 74.144,44.126 25.655,44.626 26.655,44.626 27.655,44.626 28.655,44.626 29.655,44.626 30.655,44.626 31.655,44.626 32.655,44.626 33.655,44.626 34.655,44.626 46.356,44.626 47.356,44.626 48.356,44.626 49.356,44.626 50.356,44.626 51.356,44.626 52.356,44.626 53.356,44.626 54.356,44.626 55.356,44.626 64.644,44.626 65.644,44.626 66.644,44.626 67.644,44.626 68.644,44.626 69.644,44.626 70.644,44.626 71.644,44.626 72.644,44.626 73.644,44.626 25.155,45.126 26.155,45.126 27.155,45.126 28.155,45.126 29.155,45.126 30.155,45.126 31.155,45.126 32.155,45.126 33.155,45.126 34.155,45.126 35.155,45.126 45.856,45.126 46.856,45.126 47.856,45.126 48.856,45.126 49.856,45.126 50.856,45.126 51.856,45.126 52.856,45.126 53.856,45.126 54.856,45.126 55.856,45.126 64.144,45.126 65.144,45.126 66.144,45.126 67.144,45.126 68.144,45.126 69.144,45.126 70.144,45.126 71.144,45.126 72.144,45.126 73.144,45.126 74.144,45.126 25.655,45.626 26.655,45.626 27.655,45.626 28.655,45.626 29.655,45.626 30.655,45.626 31.655,45.626 32.655,45.626 33.655,45.626 34.655,45.626 46.356,45.626 47.356,45.626 48.356,45.626 49.356,45.626 50.356,45.626 51.356,45.626 52.356,45.626 53.356,45.626 54.356,45.626 55.356,45.626 64.644,45.626 65.644,45.626 66.644,45.626 67.644,45.626 68.644,45.626 69.644,45.626 70.644,45.626 71.644,45.626 72.644,45.626 73.644,45.626 25.155,46.126 26.155,46.126 27.155,46.126 28.155,46.126 29.155,46.126 30.155,46.126 31.155,46.126 32.155,46.126 33.155,46.126 34.155,46.126 35.155,46.126 45.856,46.126 46.856,46.126 47.856,46.126 48.856,46.126 49.856,46.126 50.856,46.126 51.856,46.126 52.856,46.126 53.856,46.126 54.856,46.126 55.856,46.126 64.144,46.126 65.144,46.126 66.144,46.126 67.144,46.126 68.144,46.126 69.144,46.126 70.144,46.126 71.144,46.126 72.144,46.126 73.144,46.126 74.144,46.126 63.985,64.645 64.985,64.645 65.985,64.645 66.985,64.645 67.985,64.645 68.985,64.645 69.985,64.645 70.985,64.645 71.985,64.645 72.985,64.645 73.985,64.645 64.485,65.145 65.485,65.145 66.485,65.145 67.485,65.145 68.485,65.145 69.485,65.145 70.485,65.145 71.485,65.145 72.485,65.145 73.485,65.145 63.985,65.645 64.985,65.645 65.985,65.645 66.985,65.645 67.985,65.645 68.985,65.645 69.985,65.645 70.985,65.645 71.985,65.645 72.985,65.645 73.985,65.645 64.485,66.145 65.485,66.145 66.485,66.145 67.485,66.145 68.485,66.145 69.485,66.145 70.485,66.145 71.485,66.145 72.485,66.145 73.485,66.145 63.985,66.645 64.985,66.645 65.985,66.645 66.985,66.645 67.985,66.645 68.985,66.645 69.985,66.645 70.985,66.645 71.985,66.645 72.985,66.645 73.985,66.645 64.485,67.145 65.485,67.145 66.485,67.145 67.485,67.145 68.485,67.145 69.485,67.145 70.485,67.145 71.485,67.145 72.485,67.145 73.485,67.145 63.985,67.645 64.985,67.645 65.985,67.645 66.985,67.645 67.985,67.645 68.985,67.645 69.985,67.645 70.985,67.645 71.985,67.645 72.985,67.645 73.985,67.645 64.485,68.145 65.485,68.145 66.485,68.145 67.485,68.145 68.485,68.145 69.485,68.145 70.485,68.145 71.485,68.145 72.485,68.145 73.485,68.145 63.985,68.645 64.985,68.645 65.985,68.645 66.985,68.645 67.985,68.645 68.985,68.645 69.985,68.645 70.985,68.645 71.985,68.645 72.985,68.645 73.985,68.645 64.485,69.145 65.485,69.145 66.485,69.145 67.485,69.145 68.485,69.145 69.485,69.145 70.485,69.145 71.485,69.145 72.485,69.145 73.485,69.145 63.985,69.645 64.985,69.645 65.985,69.645 66.985,69.645 67.985,69.645 68.985,69.645 69.985,69.645 70.985,69.645 71.985,69.645 72.985,69.645 73.985,69.645 64.485,70.145 65.485,70.145 66.485,70.145 67.485,70.145 68.485,70.145 69.485,70.145 70.485,70.145 71.485,70.145 72.485,70.145 73.485,70.145 63.985,70.645 64.985,70.645 65.985,70.645 66.985,70.645 67.985,70.645 68.985,70.645 69.985,70.645 70.985,70.645 71.985,70.645 72.985,70.645 73.985,70.645 64.485,71.145 65.485,71.145 66.485,71.145 67.485,71.145 68.485,71.145 69.485,71.145 70.485,71.145 71.485,71.145 72.485,71.145 73.485,71.145 63.985,71.645 64.985,71.645 65.985,71.645 66.985,71.645 67.985,71.645 68.985,71.645 69.985,71.645 70.985,71.645 71.985,71.645 72.985,71.645 73.985,71.645 64.485,72.145 65.485,72.145 66.485,72.145 67.485,72.145 68.485,72.145 69.485,72.145 70.485,72.145 71.485,72.145 72.485,72.145 73.485,72.145 63.985,72.645 64.985,72.645 65.985,72.645 66.985,72.645 67.985,72.645 68.985,72.645 69.985,72.645 70.985,72.645 71.985,72.645 72.985,72.645 73.985,72.645
  other v2: 23.379,2.35
pads on no net: FTG1.1 FTG2.1 FTG3.1 FTG4.1 IC1.7 Ic2.7 Ic2.8 Ic2.15 Ic2.16 Ic6.1 Ic6.2
copper on no net: | length 226.6
  Top Layer w0.25: 81.325,65.225 82.7,65.225 ; 81.325,66.3 82.7,66.3 ; 81.325,67.375 82.7,67.375 ; 81.325,64.15 81.325,68.45 82.7,68.45 82.7,64.15 81.325,64.15
  MidLayer1 w0.25: 81.325,64.15 81.325,68.45 ; 81.325,64.15 82.7,64.15 ; 81.325,64.15 82.7,64.15 ; 81.325,64.15 82.7,64.15 ; 81.325,64.15 82.7,64.15 ; 81.325,65.225 82.7,65.225 ; 81.325,65.225 82.7,65.225 ; 81.325,65.225 82.7,65.225 ; 81.325,65.225 82.7,65.225 ; 81.325,66.3 82.7,66.3 ; 81.325,66.3 82.7,66.3 ; 81.325,66.3 82.7,66.3 ; 81.325,66.3 82.7,66.3 ; 81.325,67.375 82.7,67.375 ; 81.325,67.375 82.7,67.375 ; 81.325,67.375 82.7,67.375 ; 81.325,67.375 82.7,67.375 ; 81.325,68.45 82.7,68.45 ; 81.325,68.45 82.7,68.45 ; 81.325,68.45 82.7,68.45 ; 81.325,68.45 82.7,68.45 ; 82.7,64.15 82.7,68.45
  MidLayer2 w0.25: 81.325,65.225 82.7,65.225 ; 81.325,66.3 82.7,66.3 ; 81.325,67.375 82.7,67.375 ; 81.325,64.15 81.325,68.45 82.7,68.45 82.7,64.15 81.325,64.15
  Bottom Layer w0.25: 16.767,82.307 22.266,76.646 ; 17.102,76.689 22.393,82.396 ; 18.247,81.332 17.91,81.324 21.359,81.324 ; 18.247,81.365 18.247,81.378 18.545,78.028 ; 19.174,77.398 20.526,77.398 20.526,77.713 20.848,81.51 ; 20.162,77.141 20.162,77.268 ; 20.289,81.459 20.289,81.84 ; 81.325,65.225 82.7,65.225 ; 81.325,66.3 82.7,66.3 ; 81.325,67.375 82.7,67.375 ; 8.475,76.294 11.599,82.619 ; 8.475,76.294 11.599,82.619 ; 8.475,76.294 14.774,76.294 8.475,76.294 ; 10.278,79.443 ccw(c10.461,80.071) 10.431,79.418 ; 10.278,79.444 ccw(c10.101,78.834) 10.101,79.469 cw(c10.101,78.834) 10.278,79.444 ; 10.278,79.443 ccw(c10.461,80.071) 10.431,79.418 ; 10.38,78.377 ccw(c10.972,78.888) 10.558,78.224 ; 10.38,78.377 ccw(c10.972,78.888) 10.558,78.224 ; 10.38,78.377 ccw(c9.77,77.851) 9.77,78.656 cw(c9.77,77.851) 10.38,78.377 ; 10.431,79.418 ccw(c10.621,83.498) 10.812,79.418 ; 10.431,79.418 ccw(c10.621,83.498) 10.812,79.418 ; 10.558,78.224 11.472,77.92 ; 10.558,78.224 11.472,77.92 ; 10.812,79.418 ccw(c10.677,82.293) 11.447,79.52 ; 10.812,79.418 ccw(c10.677,82.293) 11.447,79.52 ; 11.447,79.52 cw(c11.743,78.45) 12.437,79.316 ; 11.447,79.52 cw(c11.743,78.45) 12.437,79.316 ; 11.472,77.92 cw(c11.472,77.284) 12.107,77.31 ; 11.472,77.92 cw(c11.472,77.284) 12.107,77.31 ; 11.599,82.619 14.8,76.294 11.599,82.619 ; 12.107,77.31 ccw(c12.253,77.365) 12.336,77.234 ; 12.107,77.31 ccw(c12.253,77.365) 12.336,77.234 ; 12.158,77.97 ccw(c11.533,77.505) 11.65,78.275 cw(c11.533,77.505) 12.158,77.97 ; 12.158,77.97 cw(c7.9,74.801) 12.336,77.716 ; 12.158,77.97 cw(c7.9,74.801) 12.336,77.716 ; 12.336,77.234 12.361,77.285 ; 12.336,77.234 12.361,77.285 ; 12.336,77.716 cw(c11.973,77.478) 12.361,77.285 ; 12.336,77.716 cw(c11.973,77.478) 12.361,77.285 ; 12.437,79.317 cw(c12.187,79.003) 12.564,79.139 ; 12.437,79.317 cw(c12.187,79.003) 12.564,79.139 ; 12.564,78.326 cw(c16.513,84.11) 12.183,78.605 ccw(c16.513,84.11) 12.564,78.326 ; 12.564,78.326 ccw(c12.744,78.591) 12.691,78.275 ; 12.564,78.326 ccw(c12.744,78.591) 12.691,78.275 ; 12.564,79.139 ccw(c12.909,79.261) 12.742,78.936 ; 12.564,79.139 ccw(c12.909,79.261) 12.742,78.936 ; 12.691,78.275 12.844,78.25 ; 12.691,78.275 12.844,78.25 ; 12.717,77.335 ccw(c12.831,77.276) 12.92,77.183 ; 12.717,77.335 ccw(c12.831,77.276) 12.92,77.183 ; 12.717,77.335 12.793,77.488 ; 12.717,77.335 12.793,77.488 ; 12.742,77.843 cw(c13.126,77.898) 12.768,78.047 ; 12.742,77.843 cw(c13.126,77.898) 12.768,78.047 ; 12.742,77.843 12.793,77.488 ; 12.742,77.843 12.793,77.488 ; 12.742,78.936 12.869,78.834 ; 12.742,78.936 12.869,78.834 ; 12.768,78.047 ccw(c9.313,79.458) 12.844,78.25 ; 12.768,78.047 ccw(c9.313,79.458) 12.844,78.25 ; 12.869,78.834 13.022,78.707 ; 12.869,78.834 13.022,78.707 ; 12.92,77.183 ccw(c12.485,77.615) 13.098,77.615 ; 12.92,77.183 ccw(c12.485,77.615) 13.098,77.615 ; 13.022,78.707 cw(c12.745,78.375) 13.174,78.428 ; 13.022,78.707 cw(c12.745,78.375) 13.174,78.428 ; 13.098,77.615 13.098,77.945 ; 13.098,77.615 13.098,77.945 ; 13.098,77.945 13.123,78.148 ; 13.098,77.945 13.123,78.148 ; 13.123,78.148 13.149,78.301 ; 13.123,78.148 13.149,78.301 ; 13.149,78.301 13.174,78.402 ; 13.149,78.301 13.174,78.402 ; 13.174,78.402 13.174,78.428 ; 13.174,78.402 13.174,78.428 ; 8.399,76.294 13.225,79.393 8.399,76.294 ; 16.479,76.252 16.479,82.602 22.829,82.602 22.829,76.252 16.479,76.252 ; 17.876,80.476 17.876,80.959 18.291,80.959 18.321,80.476 17.876,80.476 ; 18.257,81.586 ccw(c18.067,81.586) 18.257,81.586 ; 18.303,81.594 cw(c18.936,80.862) 18.994,81.827 18.303,81.594 ; 18.788,77.494 ccw(c18.689,77.494) 18.788,77.494 ; 18.931,80.093 18.931,80.329 19.809,80.329 19.809,80.093 18.931,80.093 ; 19.009,81.754 19.009,81.998 19.888,81.998 19.888,81.754 19.009,81.754 ; 19.136,77.494 ccw(c18.689,77.494) 19.136,77.494 ; 19.911,81.84 cw(c19.866,80.095) 20.848,81.538 19.911,81.84 ; 81.325,64.15 81.325,68.45 82.7,68.45 82.7,64.15 81.325,64.15
  other v3: 57.5,5 7,72 80,72
  other v4: 29.5,5

## Polygon pours and split planes (outlines as drawn)
DGND on Bottom Layer "Keep-Out Layer-No Net" (solid, pour order 20): 87.011,0.019 87.011,34.019 83.511,34.019 83.511,105.019 3.511,105.019 3.511,34.019 0.011,34.019 0.011,0.019
AGND on Bottom Layer "Keep-Out Layer-No Net" (solid, pour order 17): 42.7,36.525 42.7,17.2 77.3,17.2 77.3,36.525
AGND on Top Layer "Keep-Out Layer-No Net" (solid, pour order 12): 35.021,48.884 48.344,48.884 48.344,52.546 48.344,65.495 35.021,65.495
RFGND on Top Layer "Keep-Out Layer-No Net" (solid, pour order 11): 83.5,74.528 83.525,27.875 59.975,27.9 36.45,27.9 36.44,5.975 22.325,5.975 22.325,46.928 60.03,46.928 60.03,74.528
AGND on Top Layer "Keep-Out Layer-No Net" (solid, pour order 13): -0.133,29.05 -0.133,-0.016 87.142,-0.016 87.142,29.041
DGND on Top Layer "Keep-Out Layer-No Net" (solid, pour order 23): 86.933,-0.106 86.933,33.89 83.433,33.89 83.433,104.882 3.433,104.882 3.433,33.89 -0.067,33.89 -0.067,-0.106
AGND on MidLayer2 "Keep-Out Layer-No Net" (solid, pour order 18): 76.901,17.549 42.998,17.549 42.998,25.549 42.998,51.611 55.646,51.611 55.646,25.549 76.901,25.549
DGND on MidLayer2 "Keep-Out Layer-No Net" (solid, pour order 19): 87.005,-0.011 87.005,33.989 83.505,33.989 83.505,104.989 3.505,104.989 3.505,33.989 0.005,33.989 0.005,-0.011
AGND on MidLayer1 "Keep-Out Layer-No Net" (solid, pour order 14): 42.338,25.549 76.901,25.549 76.901,17.549 42.338,17.549
RFGND on MidLayer1 "Keep-Out Layer-No Net" (solid, remove dead copper, pour order 16): 87.008,-0.152 87.008,33.837 83.508,33.837 83.508,105.023 3.508,105.023 3.508,33.837 0.008,33.837 0.008,-0.252

## Keep-outs
Keep-Out Layer:
  the board outline again, w0.127

## Other copper
Top Layer:
  rectangle net +3.3V: 7.544,80.319 22.456,87.532
  region net RFGND: 22.109,3.62 22.109,1.08 24.649,1.08 24.649,3.62
  region net DGND: 13.589,3.62 13.589,1.08 16.129,1.08 16.129,3.62
  region net 9VIN: 17.833,3.62 17.833,1.08 20.373,1.08 20.373,3.62
  region net 9VIN: 9.313,3.62 9.313,1.08 11.853,1.08 11.853,3.62
  pour cut-out: 12.75,104.65 12.75,98.55 16.225,98.55 16.225,104.65
  pour cut-out: 6.975,3.875 18.6,3.875 18.6,8.35 18.55,8.4 6.975,8.4
  text "1" at 82.525,64.5 h1.02 r90
MidLayer1:
  text "2" at 82.525,65.425 h1.02 r90
MidLayer2:
  text "3" at 82.55,66.5 h1.02 r90
Bottom Layer:
  rectangle net RFGND: 21.75,16.771 33.75,26.771
  rectangle net RFGND: 24.155,37.126 36.155,47.126
  rectangle net RFGND: 44.856,37.126 56.856,47.126
  rectangle net RFGND: 63.144,37.126 75.144,47.126
  rectangle net RFGND: 62.985,63.645 74.985,73.645
  rectangle net DGND: 8.876,27.671 19.676,36.971
  rectangle net DGND: 8.84,50.471 19.64,59.771
  pour cut-out: 36.5,89.9 36.575,89.975 37.575,89.975 37.825,89.875 38.05,89.775 38.45,89.475 38.725,89.225 38.95,89 39.175,88.675 39.275,88.5 39.375,88.3 39.425,88.1 39.475,87.85 39.475,86.85 39.381,86.741 39.225,87.525 39.1,88.025 38.8,88.675 38.5,89.025 38.225,89.25 37.85,89.5 37.475,89.675 37.05,89.8
  pour cut-out: 39.539,93.183 39.155,93.399 39.9,93.375 40.425,93.3 40.75,93.2 41.089,93.058 41.489,92.758 41.764,92.508 41.989,92.283 42.214,91.958 42.314,91.783 42.414,91.583 42.464,91.383 42.514,91.133 42.5,90.275 42.475,89.775 42.42,90.025 42.264,90.808 42.139,91.308 41.825,91.9 41.5,92.3 41.264,92.533 40.889,92.783 40.514,92.958 40.089,93.083
  pour cut-out: 38.35,92.25 38.65,92.35 39.175,92.375 39.7,92.3 40.025,92.175 40.413,91.925 40.688,91.675 40.913,91.45 41.138,91.125 41.238,90.95 41.338,90.75 41.388,90.55 41.438,90.3 41.438,89.3 41.325,89.05 41.25,89.8 41.225,90.3 41.175,90.6 41.1,90.85 41,91.075 40.825,91.275 40.5,91.6 40.125,91.85 39.8,92.025 39.55,92.1 39.275,92.15 38.75,92.2
  pour cut-out: 37.425,90.775 36.425,91.05 37.025,91.075 37.325,91.05 37.6,91 37.975,90.9 38.3,90.775 38.6,90.625 38.925,90.45 39.339,90.183 39.614,89.933 39.839,89.708 40.064,89.383 40.164,89.208 40.264,89.008 40.3,88.9 40.35,88.75 40.4,88.55 40.5,88.1 40.55,87.65 40.55,87.1 40.525,86.5 40.414,87.083 40.35,87.475 40.325,87.875 40.2,88.3 40.075,88.775 39.675,89.325 39.35,89.725 39.114,89.958 38.739,90.208 38.45,90.425 38.075,90.625
  pour cut-out: 6.975,3.875 18.6,3.875 18.6,8.35 18.55,8.4 6.975,8.4
  text "BOT" at 4.375,94.125 h1.27 r270
  text "4" at 82.525,68.275 h1.02 r90
Multi-Layer:
  pour cut-out: 81.125,68.7 81.125,63.85 82.975,63.85 82.975,68.7

## Silkscreen, mask and mechanical layers (free items; w line width, h text height)
Top Overlay:
  drawing of 33 lines, arcs and shapes, not listed
  text "ID CODE" at 41.635,81.476 h3 r270
  text "FR4 - TG150 - HASL" at 82.725,57.3 h1 r90
  text "sirius" at 60.526,16.182 h2.2
  text "Laboratorio Nacional" at 55.223,15.132 h1
  text "de Luz Sincrotron" at 55.223,14.482 h1
  text "RF" at 25.225,1.1 h1.52
  text "Beam Diagnostics Group" at 43.575,0.975 h2
  text "RFFE_Controller_v10" at 61.85,0.975 h2
  text "DG" at 5.8,0.8 h1.52

## Text inside footprints (layer, text, board x,y; h text height)
LD1: Mechanical 8 "C" at 60.75,101.075 h0.5